# KiCad board Part 10-AMLDC-2044B.kicad_pcb (continued)
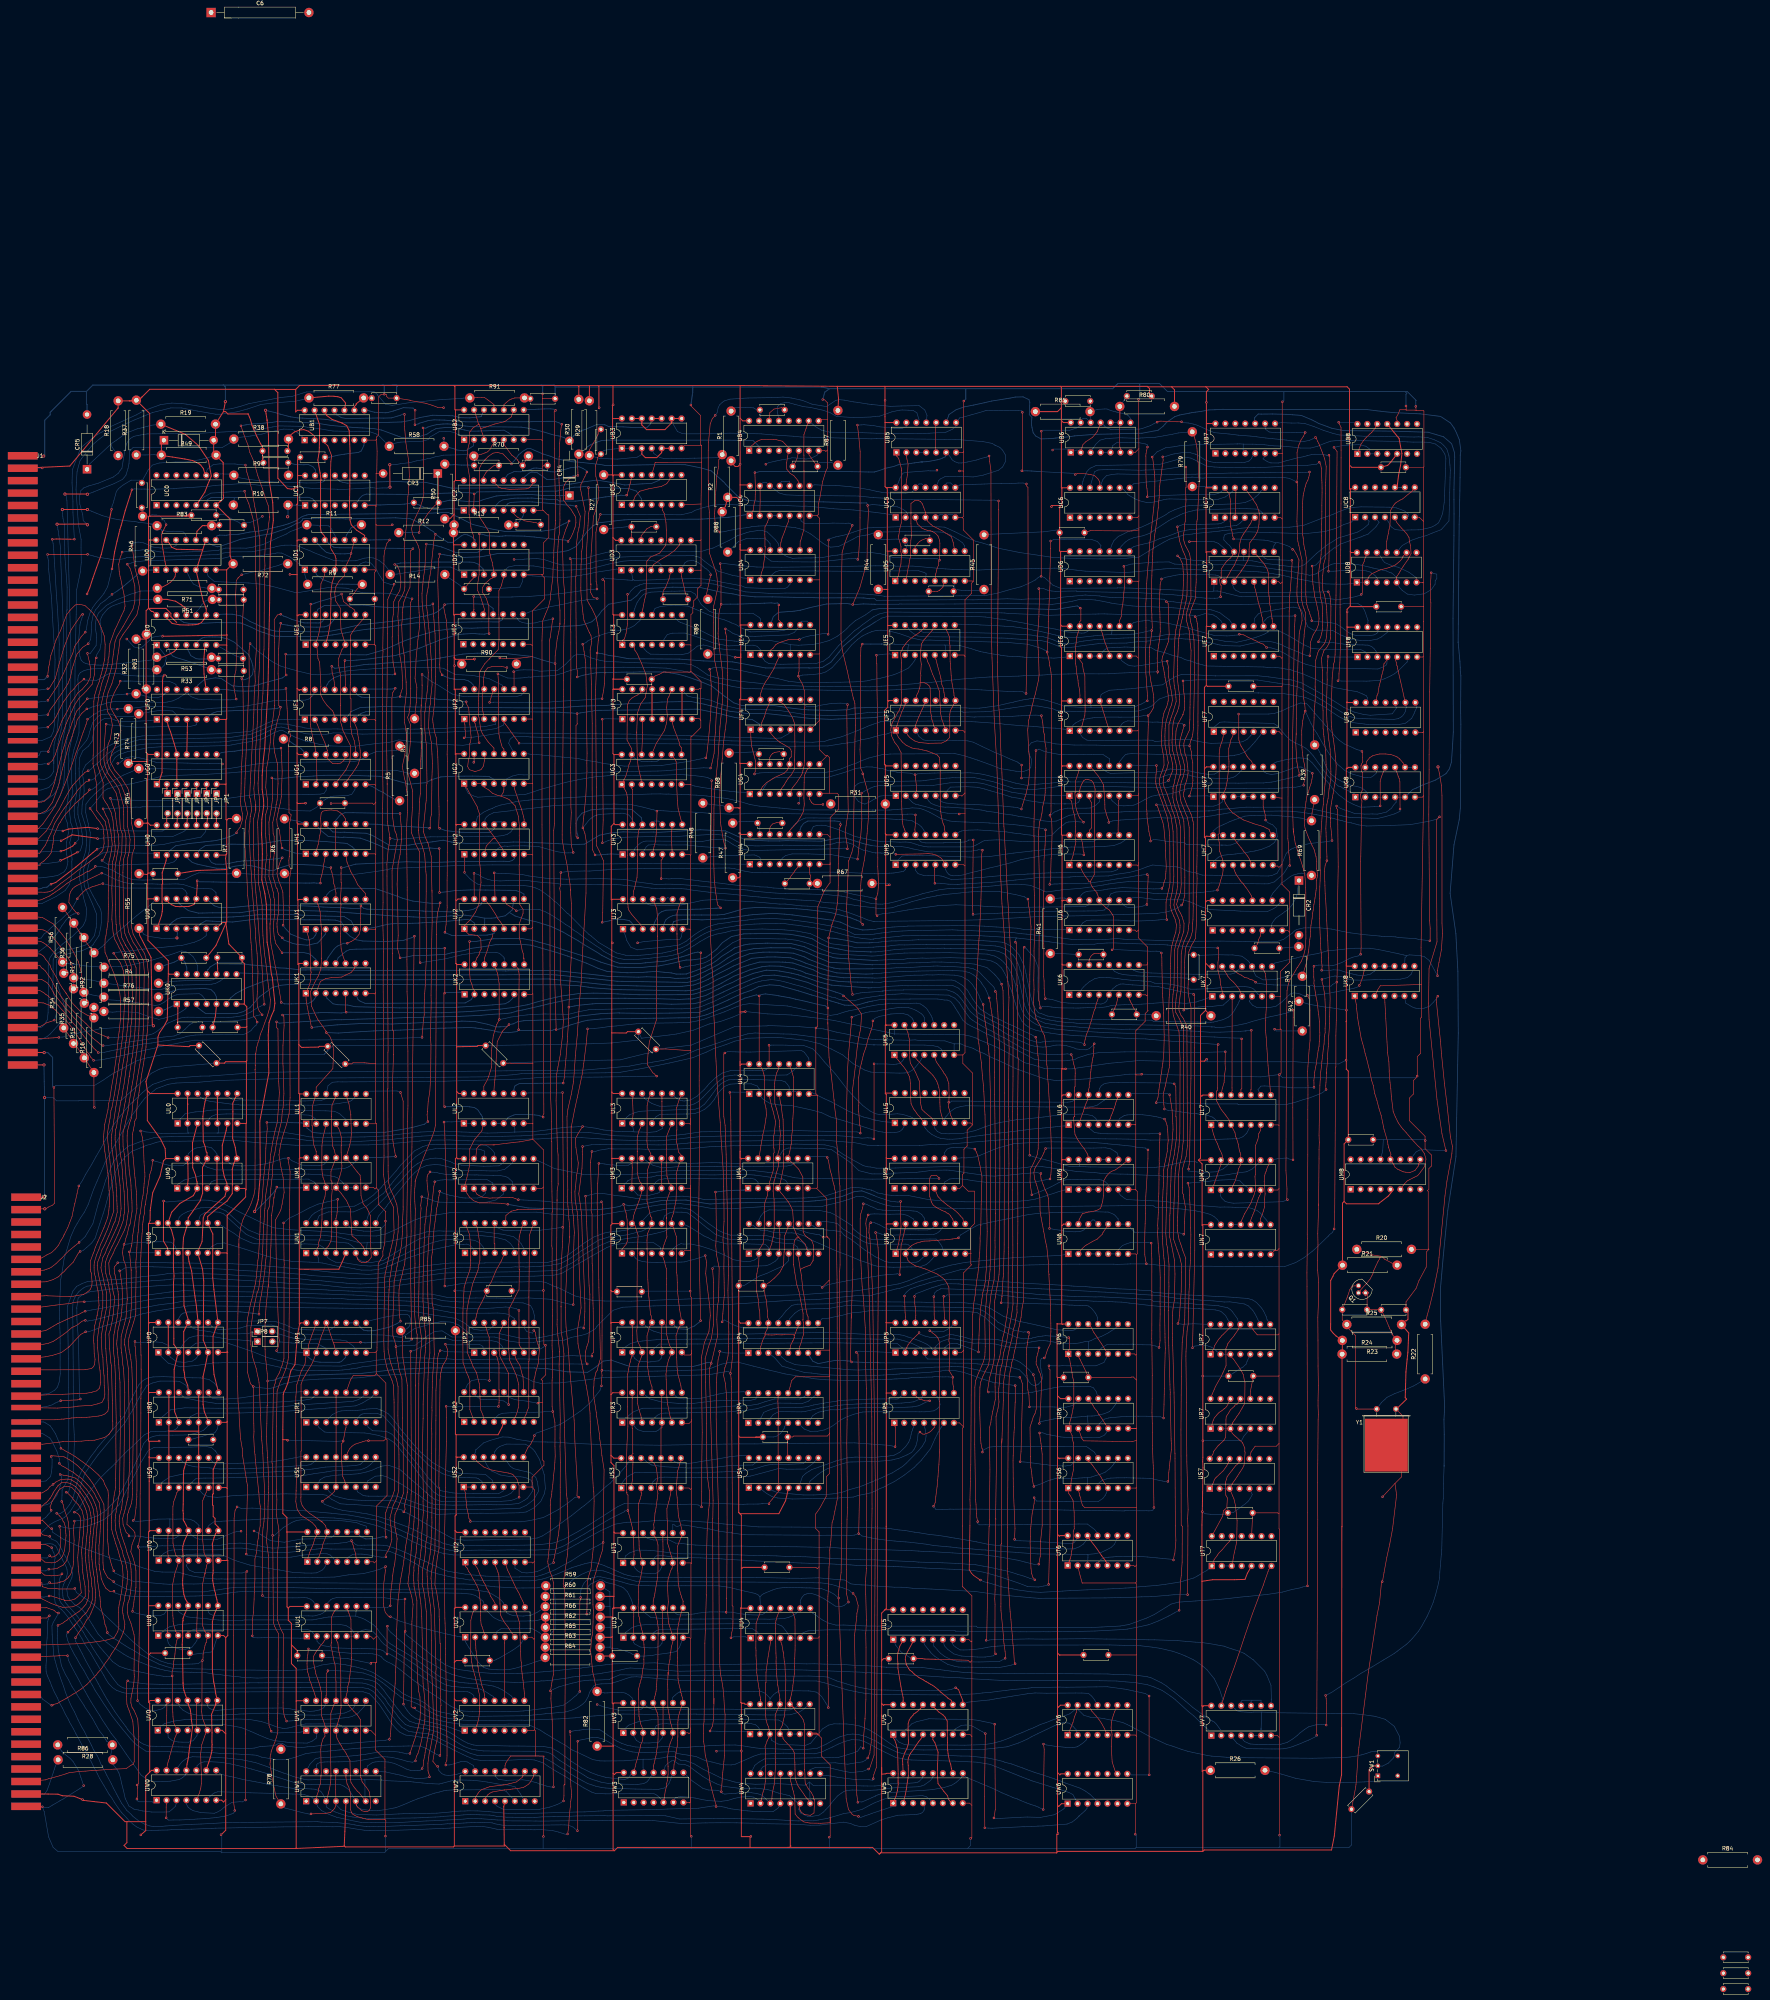
[diagram p0: board, top side]
## Routing (per net, layer and track width the routed paths; a pad name or vN(x,y) marks a point on that pad's centre or on a via; arc(x,y) is an arc through that point) (continued)
U4p8: length 319
  Top w0.15: UK8.13 418.45,259.75 418.3,259.17 418.11,258.28 417.96,257.85 417.51,256.64 417.23,256.12 417.23,256.12 v1(417.25,256.1) 417.23,256.08 417.23,255.94 ; 404.18,102.61 v1(403.99,102.75) 404.03,121.4 403.88,179.23 403.87,182.68 403.97,191.48 403.94,192.6 404.02,203.76 404.09,212.96 404.09,221.89 404.09,224.47 404.12,228.13 404.12,230.59 404.05,234.1 404.12,235.49 404.42,239.67 404.66,242.15 404.64,249.69 404.59,251.09 404.47,252.55 404.2,253.17 v1(403.98,253.58)
  Bottom w0.15: v1(417.25,256.1) 416.91,255.76 416.55,255.59 415.98,255.43 414.76,255.15 413.96,255.01 411.99,254.61 408.59,253.96 407.36,253.77 406.87,253.73 405.1,253.5 v1(403.98,253.58) 403.34,253.51 402.99,253.51 402.15,253.9 401.65,254.04 400.57,254.22 399.69,253.95 398.87,253.28 397.51,251.92 396.94,251.52 395.97,250.81 394.1,250.41 392.9,250.43 391.02,250.5 389.96,251.05 389.13,252.04 UK7.5 ; 296.89,92.47 319.36,92.47 319.7,92.13 348.9,92.13 351.48,92.25 356.14,92.5 358.39,92.89 362.82,94.5 364.88,95.45 369.12,98.09 371.01,98.6 375.33,98.89 376.82,99 379.94,99.19 381.51,99.3 384.46,99.61 386.24,99.82 388.83,100.07 393.85,100.58 397.57,101.16 399.9,101.8 402.15,102.25 402.71,102.44 403.39,102.64 v1(403.99,102.75) ; 296.89,92.47 291.65,92.5 285.55,92.75 283.55,92.73 281.69,93.23 280.4,93.88 280.01,94.08 278.74,95.03 277.64,95.72 UU4.8 ; 296.89,92.47 296.94,92.47
U4p10: length 144.2
  Top w0.15: 275.61,53.46 275.61,54.58 275.53,55.81 275.5,55.78 275.49,57.88 275.52,58.77 275.52,59.59 275.55,63.28 275.52,67.29 275.18,68.51 274.61,69.42 273.73,70.4 273.33,70.78 272.99,71.13 272.95,71.51 272.79,71.67 ; 275.61,53.36 275.7,52.18 275.89,51.98 276.44,50.96 277.19,50.03 277.85,48.8 277.85,48.33 278.08,48.11 277.92,44.75 276.97,44.14 275.51,44.35 274.68,44.95 274.51,45.25 274.27,45.71 274.16,46.4 274.41,47.18 ; 271.92,73.92 271.74,72.78 272.33,72.09 272.79,71.67 ; 271.92,73.92 271.74,73.75 UV4.10 272.6,71.67 272.79,71.67 ; 271.92,73.92 271.97,74.28 272.14,75 272.51,76.9 272.52,77.29 272.92,80.42 272.92,82.21 273,82.93 273,84.13 273.08,86.38 273.09,87.54 273.07,94.28 272.74,95.39 271.87,97.04
  Bottom w0.15: UW5.12 308.35,53.94 307.68,53.06 306.07,51.89 305.48,51.67 304.56,51.45 299.28,51.23 298.03,51.15 296.11,50.91 295.03,50.74 294.06,50.63 292.24,50.53 291.44,50.53 288.93,50.58 287.7,50.61 286.96,50.56 286.16,50.43 285.5,50.18 284.89,49.81 283.91,49.08 282.98,48.02 282.38,47.29 281.9,46.62 280.92,45.59 280.3,44.97 279.19,44.2 277.49,43.88 276.22,43.93 274.54,44.74 274,45.69 274.41,47.18 273.48,47.55 271.73,49.15 268.92,49.82 267.76,50.18 266.03,50.76 262.88,51.11 259.55,50.96 254.76,51.56 253.06,52.18 251.07,53.15 249.53,54.06 247.94,55.23 245.91,56.74 244.94,57.11 243.29,57.25 242.05,58.14 241.52,58.05 240.53,57.36 239.9,56.74 UW3.10
U5p2: length 17
  Top w0.2: UU5.2 300.25,88.08 299.84,87.36 299.37,85.74 299.23,84.73 299.36,82.82 299.37,81.63 300.11,77.18 300.37,75.73 300.7,74.16 300.7,73.55 UV5.15
U5p3: length 23
  Top w0.2: UU5.3 302.96,88 302.56,87.28 302.04,86.32 301.77,85.87 301.5,85.22 301.3,84.7 301.23,83.96 301.53,82.57 302.11,81.69 302.1,81.6 302.46,81.18 302.94,80.85 303.52,80.23 304.74,79.34 305.83,78.75 306.54,78.27 306.59,78.28 307.2,77.94 307.68,77.63 308.21,77.36 308.65,77.07 309.64,76.24 310.27,75.65 312.02,74.22 312.16,74.05 313.01,73.52 313.01,72.79 UV5.10
U5p4: length 526.7
  Top w0.15: v1(335.76,250.33) 335.55,251.5 335.45,251.98 335.36,252.25 335.51,282.51 335.24,294.59 335.55,297.86 335.87,298.56 336.04,299.78 336.18,300.12 336.29,301.43 336.39,301.85 336.54,302.56 336.75,303.47 336.88,304.23 336.99,305.33 336.99,305.95 337.2,316.7 336.94,318.16 336.75,320.3 336.56,320.98 336.35,323.35 336.1,324.55 v1(336.02,325.01) ; v1(331.64,265.88) 331.47,265.71 331.43,175.47 331.09,173.76 330.82,171.29 330.49,169.74 330.37,169.11 330.09,167.93 329.98,166.86 329.82,166.15 329.45,163.81 329.15,162.74 328.84,161.01 328.45,159.75 328.39,158.99 328.03,157.6 327.82,156.19 327.74,154.36 327.56,147.06 327.37,117.66 327.37,107.12 327.34,106.48 327.46,105.63 327.49,104.91 327.65,102.12 328.02,96.26 328.23,94.2 328.41,91.96 328.6,89.95 328.74,88 328.88,86.8 329.13,83.08 329.31,82.9 v1(329.31,82.86) 329.34,82.86 329.4,82.8
  Bottom w0.15: 293.84,324.6 294.86,324.81 296.14,324.92 308.7,324.8 311.06,324.76 313.68,324.74 314.99,324.79 317.21,324.75 319.01,324.64 319.06,324.69 326.35,324.75 328.58,324.83 330.1,324.94 330.9,324.97 332.27,325.07 334.4,325.14 335.28,325.1 v1(336.02,325.01) ; v1(331.64,265.88) 331.68,265.92 332.09,265.57 332.25,265.41 332.38,265.25 334.26,263.13 335.17,260.71 335.2,259.06 335.16,258.03 335.14,254.68 335.34,252.77 v1(335.76,250.33) 336.38,250.8 337.63,250.71 338.68,250.58 339.7,250.43 341.35,250.37 344.27,250.34 345.4,250.33 345.98,250.35 346.66,250.38 347.83,250.42 349.86,250.39 350.76,250.39 352.71,250.65 354.05,251.03 357.19,251.18 358.28,251.2 361.52,251.32 363.65,251.45 364.71,251.56 367.07,251.73 368.4,251.77 369.26,251.8 372.9,251.51 375.64,251.88 376.26,252.13 377.14,252.37 378.22,252.77 UK7.1 ; v1(329.31,82.86) 328.39,82.53 326.59,82.14 325.34,81.93 324.42,81.86 322.75,81.86 322.06,81.89 321.02,81.93 317.38,81.99 316.42,81.96 314.9,82.01 313.93,82.18 312.1,82.71 310.09,83.88 308.69,84.83 307.8,85.65 307.56,85.99 307.07,86.6 306.13,87.76 UU5.4
  Bottom w0.2: 294.02,324.61 292.82,324.5 284.11,324.15 282.32,324.06 276.99,324.28 265.67,325.56 261.42,325.58 260.62,325.59 256.43,326.12 252.69,327.18 249.94,327.92 246.42,328.63 239.08,328.49 235.93,328.25 230.51,328.07 224.67,327.61 218.67,327.45 211.15,326.94 176.5,327.2 167.82,327.33 161.97,327.07 159.81,326.11 UF1.5
U5p7: length 116.5
  Top w0.15: UV7.13 382.51,73.88 383.12,75.81 383.36,76.62 383.6,77.14 384.31,79.34 385.34,82.1 386.94,86.8 387.87,89.64 389.92,95.58 391.78,100.52 392.73,102.98 393,103.82 393.92,106.38 394.07,106.86 UT7.7
  Bottom w0.15: UV7.13 382.28,74.03 381.54,76.3 380.2,79.01 378.36,81.28 377.36,82.18 375.84,83.27 374.91,83.85 372.91,84.81 371.19,85.5 369.52,86.07 366.13,86.84 364.46,87.09 361.41,87.45 359.48,87.53 357.26,87.57 355.93,87.6 353.38,87.66 329.8,87.62 324.89,87.38 323.21,87.21 322.16,87.06 320.92,86.79 318.77,86.49 317.64,86.42 316.08,86.38 315.22,86.41 314.11,87.13 313.62,87.51 313.25,88.11 UU5.7
W0p1: length 363.1
  Top w0.15: v1(104.93,48.29) 104.93,48.64 105.09,48.83 105.08,51.09 105.15,51.17 v1(104.97,51.89) 105.28,52.21 105.28,62.74 105.41,64.28 105.14,68.73 104.57,70.1 104.19,70.95 103.9,71.43 103.67,71.77 103.38,72.87 103.4,73.99 104,77.05 104.18,78.23 104.25,79.53 104.23,80.08 104.19,81.16 104.31,89.18 104.2,90.29 103.4,93.24 103.05,94.07 102.74,94.88 102.45,96.06 102.59,98.03 102.65,98.44 102.97,99.36 103.28,100.92 103.53,103.44 103.45,106.3 103.43,107.03 103.27,108.04 103.18,108.95 102.88,109.87 102.42,111.19 102.26,111.79 102.07,112.58 101.7,113.6 100.94,115.88 100.82,116.4 100.67,117.14 100.42,118.75 100.39,119.28 100.45,120.5 100.93,122.22 101.05,122.81 101.22,124.39 101.45,125.89 101.56,127.77 101.83,152.09 101.5,158.32 101.34,159.19 101.03,162.43 ; 102.46,176.05 102.15,171.34 101.71,169.48 100.9,166.44 100.87,163.49 101.05,162.28 ; v1(103.69,368.83) 103.77,367.77 104.34,363.39 104.49,362.44 104.97,360.6 105.36,359.01 105.72,356.75 105.63,353.82 104.92,350.75 103.82,349.22 103.21,348.29 102.66,347.48 101.42,345.8 101.3,345.6 100.6,344.44 100.27,341.69 99.9,339.46 99.61,337 99.37,336.16 98.54,333.19 97.58,330.96 97.1,328.49 97.44,326 98.32,324.52 98.65,322.57 98.16,319.06 97.57,317.7 97.4,316.41 97.28,315.6 97.28,313.52 97.85,311.63 99.28,309.43 99.89,308.76 100.91,307.29 101.87,304.87 102.46,301.71 102.5,300.51 102.56,296.65 103.19,293.36 102.94,290.18 102.73,289.28 ; 102.46,175.79 102.33,179.7 102.11,184.48 101.58,185.89 101.24,187.8 101.38,188.91 v1(101.64,189.97) 101.78,190.11 102.07,191.42 102.41,192.4 102.96,194.8 103.18,195.16 103.65,198.12 103.7,198.48 103.66,200.65 103.65,201.17 103.45,203.87 103.42,204.89 103.33,206.4 103.26,206.58 102.94,208.99 102.87,209.99 102.7,212.43 102.69,212.99 102.49,215.27 102.42,216.37 102.44,217.78 102.5,218.84 103.06,220.95 103.53,222.26 103.92,226.23 104,226.74 104.69,230.16 104.86,231.09 105.11,232.83 105.83,236.92 106.22,240 106.37,241.23 106.55,244.74 106.62,245.94 106.79,258.93 106.83,259.43 106.57,262.42 104.85,265.86 103.98,267.09 102.8,269.74 102.61,271.01 102.53,271.87 102.51,287.09 102.49,287.19 102.6,288.68 102.76,289.43
  Bottom w0.15: UW0.1 109.45,48.02 108.93,47.5 108.81,47.62 105.45,47.62 105.15,47.82 v1(104.93,48.29) ; UD0.12 114.94,368.43 113.75,367.86 112.48,367.79 110.97,367.82 109.03,368.07 107.67,368.7 106.68,369.12 105.85,369.28 105.2,369.32 104.37,369.23 104.01,368.83 v1(103.69,368.83) ; UN0.3 114.75,189.34 114.32,190.07 113.65,190.53 112.66,190.57 111.01,190.65 110.03,190.62 108.06,190.54 104.37,190.44 103.44,190.2 102.66,190.07 v1(101.64,189.97)
W0p2: length 304.6
  Top w0.15: UT3.13 231.8,114.8 231.94,110.68 UT3.2 ; UT3.13 231.68,115.49 ; UT3.13 231.56,117.37 231.29,118.53 230.97,119.77 230.62,121.08 230.38,121.86 230.4,121.88 230.4,121.95 v1(230.35,122.01) 230.4,122.07 230.4,125.94 230.12,126.23 230.12,126.56 ; 231.44,161.46 231.13,160.7 230.99,159.96 230.82,159.41 230.51,157.98 230.44,157.41 230.28,156.69 230.28,148.51 230.3,148.43 230.37,143.52 230.14,138.84 229.99,134.09 230.04,132.47 230.08,126.56 230.12,126.56 ; 231.44,161.46 UP3.2 231.55,166.79 231.53,168.52 231.46,169.4 UP3.13 ; 231.44,161.46 231.35,161.12 ; 230.12,126.56 230.14,126.54 ; v1(130.51,122.93) 130.01,122.04 129.76,120.01 129.73,103.48 129.66,100.56 129.66,90.16 129.64,82.67 129.58,65.23 129.64,47.4 v1(129.94,45.38) ; UP3.5 239.08,163.68 238.86,163.9 UP3.10 ; UT3.5 239.35,112.08 239.31,114.01 UT3.10 ; 112.42,43.42 112.4,43.43 112.4,43.5 v1(112.39,43.52) 112.4,43.53 112.4,46.25 112.42,46.87 UW0.2
  Bottom w0.15: v1(112.39,43.52) 112.67,43.14 113.07,42.92 114.2,42.96 115.89,42.96 118.33,43.07 119.65,43.16 120.31,43.21 122.33,43.3 125.3,43.59 127.22,43.92 ; UP3.2 232.03,160.93 232.81,160.29 233.13,160.12 233.99,160.02 235.01,160 235.62,159.91 236.17,159.98 238.26,160.22 238.92,160.93 UP3.5 ; 127.22,43.92 127.28,43.92 ; 127.22,43.92 127.99,44.07 128.97,44.46 129.49,44.63 129.83,45.01 v1(129.94,45.38) ; v1(130.51,122.93) 131.53,122.57 132.55,122.57 134.36,122.62 135.6,122.57 137.18,122.35 141.04,122.26 143.47,122.04 145.25,122.06 146.52,122.06 148.64,121.83 154.65,121.3 159.12,120.84 163.43,120.04 166.31,119.5 169.05,118.42 171.46,117.37 173.44,116.47 175.56,115.51 177.18,114.78 179.06,113.87 180.5,113.26 181.43,112.91 183.38,112.25 184.86,111.87 189.3,111.82 190.33,111.85 193,111.9 195.3,111.84 201.15,111.95 202.93,111.88 205.34,111.92 206.7,111.91 211.69,112.1 213.56,112.77 214.69,113.33 215.79,114.02 216.29,114.3 217.33,114.89 218.2,115.41 219.27,116 220.61,116.83 221.75,117.5 224.07,118.87 225.83,119.88 227.47,120.71 228.76,121.34 229.47,121.68 229.6,121.9 v1(230.35,122.01) ; UT3.2 232.05,107.43 232.78,106.62 233.31,106.3 233.99,106.04 236.13,105.89 237.54,105.96 238.04,106.24 238.5,106.6 239.02,107.58 UT3.5
W0p4: length 94.2
  Top w0.15: v1(133.04,106.46) 132.78,106.2 132.67,68.52 132.63,65.15 132.68,64.73 132.68,48.07 v1(132.69,48.06)
  Bottom w0.15: UW0.4 117.56,47.02 118.03,46.19 118.62,45.73 119.29,45.33 121.21,44.86 124.7,44.68 125.34,44.92 126.34,45.46 127.29,46.27 129.21,47.46 131.24,47.63 131.87,47.58 v1(132.69,48.06) ; UT0.4 117.54,107.89 118.21,106.91 118.31,106.78 119.7,106.18 131.78,106.04 v1(133.04,106.46)
W0p6: length 234.1
  Top w0.15: UU1.3 152.95,88.93 152.56,88.35 151.65,87.22 151.43,86.84 150.73,85.97 150.44,85.44 150.06,84.77 150.03,83.39 150.32,81.77 150.58,80.79 150.64,80.29 151.19,78.75 151.49,77.82 151.81,76.8 152.08,75.33 152.08,69.74 152.25,69.13 152.8,67.69 152.98,66.96 UV1.3 152.86,65.4 152.99,64.4 152.48,63.69 152.03,62.22 151.89,60.89 152.03,55.08 151.82,52.25 151.39,51.04 151.36,50.98 151.3,50.63 151.27,50.2 150.92,49.19 150.71,47.76
  Bottom w0.15: UW5.4 306.06,46.97 306.1,45.75 306.04,45.46 305.68,44.91 305.08,44.56 304.51,44.46 304.09,44.39 303.61,44.35 301.4,44.25 299.32,44.17 296.68,43.49 295.01,42.95 291.24,41.27 289.91,41.23 288.19,41.65 287.25,42.07 285.49,42.4 281.83,41.96 279.38,41.65 276.96,41.61 274.39,41.82 272.03,41.9 264.75,42.02 263.18,42.14 262.1,42.14 259.64,42.2 258.05,42.24 254.02,42.26 250.17,42.22 244.06,42.05 236.72,42.82 235.17,42.81 226.59,42.81 223.82,42.83 219.29,42.79 216.97,42.79 208.16,42.67 206.85,42.7 199.61,42.74 198.82,42.91 197.04,42.96 195.5,43.1 192.96,43.27 189.57,43.32 188.47,43.19 186.91,43.09 184.35,42.97 181.05,42.77 178.88,42.72 171.91,42.31 165.84,42.3 164.79,42.35 162.25,42.33 160.96,42.59 159.05,42.97 155.96,43.66 154.06,44.35 152.11,45.35 151.09,46.37 150.71,47.76 149.48,48.89 147.79,49.41 146.55,49.56 144.69,49.59 143.22,49.67 133.89,49.9 132.42,49.98 125.59,50.17 124.73,49.88 124.25,49.56 123.57,48.95 UW0.6
W0p8: length 189.5
  Bottom w0.15: 138.01,52.16 139.74,51.83 140.78,51.7 141.7,51.52 143.83,51.17 145.39,50.97 148.13,50.96 149.61,50.88 150.44,50.83 151.75,50.35 151.96,50.18 152.46,49.49 152.72,48.97 UW1.3 153.32,46.3 153.97,45.82 155.55,45.02 156.44,44.71 158.47,44.03 160.14,43.71 162.01,43.49 163.42,43.35 164.21,43.32 175.97,43.48 177.45,43.53 178.02,43.57 179.28,43.66 181.14,43.71 182.43,43.77 183.31,43.9 186.28,44.07 188.43,44.27 190.18,44.34 191.73,44.33 192.51,44.28 195.04,44.22 196.05,44.08 196.74,43.91 199.48,43.66 200.82,43.66 206.5,43.6 208.51,43.76 211.49,43.8 212.51,43.79 214.57,43.85 217.38,44 219.33,44.02 224.3,44.08 225.19,44.02 225.83,44.03 238.15,44.08 239.93,44.04 243.56,43.22 249.19,43.3 252.3,43.34 254.72,43.32 257.52,43.32 264.88,43.18 266.65,43.12 270.5,42.9 272.37,42.77 274.02,42.73 275.8,42.79 277.81,42.75 279.08,42.96 281.44,43.4 285.5,44.59 287.1,44.83 288.98,45.32 290.28,45.71 292.57,46.95 293.6,47.44 295.76,48.27 297.57,48.84 298.72,48.9 300.16,48.99 302.04,48.99 305.65,49.19 306.59,48.92 306.93,48.63 307.37,48.33 UW5.5 ; 138.01,52.16 138.09,52.16 ; 138.01,52.16 136.35,52.51 135.18,52.72 132,53.31 129.94,53.83 128.66,54.11 127.62,54.32 126.2,54.75 UW0.8
W0p10: length 148.4
  Top w0.15: UU1.10 158.89,96.41 159.1,95.75 159.61,94.25 159.74,84.5 159.71,84.42 159.73,84.09 159.64,82.13 159.46,81.14 159.35,79.96 159.2,79.04 159.15,78.29 158.82,77.11 158.72,75.95 158.33,74.35 UV1.10 158.96,72.47 159.36,71.84 160.32,70.75 160.92,70.13 161.24,69.79 162.01,68.62 162.06,54.28 162.11,53.8 162.22,53.67 162.47,52.71 163.03,51.96 163.52,51.35 164.04,50.59 164.34,50.06 164.63,47.39 164.62,46.09 164.42,45.67 164.3,45.49 163.94,45.19 163.66,45.17 163.22,45.11 162.38,45.31 161.4,46.19 161.25,46.38 161.06,46.58 UW1.6
  Bottom w0.15: UW0.10 120.31,56.84 121.03,57.46 121.63,57.71 122.16,57.82 123.35,57.8 123.82,57.83 126.43,57.69 128.9,57.27 130.57,56.9 134.15,55.99 136.57,55.28 138.51,54.71 139.85,54.22 140.94,53.87 143.85,52.94 145.9,52.29 147.2,52.14 149.53,51.99 151.44,52 154.33,52.01 156.1,52.08 156.96,51.99 157.88,51.56 159.17,50.64 159.86,49.46 160.39,48.54 UW1.6 161,46.62 161.44,46.15 162.38,45.68 164.11,45.46 164.8,45.35 165.06,45.35 166.38,45.32 166.95,45.41 168.36,45.6 171.11,46.12 172.94,46.82 174.78,47.61 175.45,47.89 176.75,48.4 179.51,49.32 180.92,49.8 182.25,50.11 183.28,50.4 183.92,50.54 185.73,50.64 193.76,50.68 195.86,50.7 197.56,50.7 198.81,50.5 199.35,50.18 200.37,49.03 200.67,48.72 UW2.6
W0p12: length 144.2
  Top w0.15: UU1.4 155.96,88.74 156.27,88.2 156.39,87 156.56,85.79 156.79,84.93 156.87,84.05 156.93,82.22 156.99,81.14 157.03,78.93 157,77.33 157.09,71.76 157.03,71.24 156.91,70.32 156.83,69.68 156.49,68.53 156.07,67.18 ; 156.17,67.38 155.79,66.62 155.79,65.8 155.87,64.61 156.08,63.75 156.62,62.73 157.11,61.96 157.59,61.08 158.24,60.25 158.46,59.79 159.36,58.15 159.46,53.4 159.63,52.55 160.28,51.52 160.63,51.09 161.19,50.37 161.7,49.92 UW1.7
  Bottom w0.15: UW1.7 163.19,48.86 163.19,53.09 163.07,53.21 ; 163.07,53.21 161.9,53.27 150.54,53.26 148.64,53.21 147.46,53.39 146.62,53.62 144.92,54.06 143.4,54.64 142.42,54.94 141.19,55.41 140.17,55.76 138.6,56.45 136.79,57.08 135.31,57.58 132.56,58.19 131.82,58.33 127.97,58.77 125.82,58.9 123.86,59.01 121.3,59.04 119.14,59.11 117.8,58.8 116.74,58.06 116.3,57.66 115.43,56.52 UW0.12 ; 163.07,53.21 163.16,53.3 167.33,53.19 168.68,53 173.79,52.78 174.88,52.74 175.56,52.66 177.96,52.41 179.16,52.29 180.56,52.21 182.12,52.14 183.06,52.37 185.05,52.9 186.32,53.19 188.03,53.17 190.07,53.12 190.89,53.09 193.27,52.83 194.51,52.64 197.83,52.04 199.83,51.87 201.55,51.4 202.09,50.78 202.88,49.68 203.18,49.11 UW2.7
W1p16: length 194.4
  Top w0.15: v1(177.71,202.14) 177.44,199.98 177.53,199.21 177.32,196.5 177.3,194.01 177.09,187.02 177.06,184.78 176.96,177.98 176.93,176.66 176.92,171.78 177.21,168.99 177.66,165.93 177.65,164.4 177.47,163.02 177.22,159.92 176.98,156.93 176.95,154.5 176.85,120.96 176.9,119.45 176.73,117.36 176.72,117.35 176.72,115.33 176.58,114.68 176.39,112.7 176.31,112.2 176.26,111.19 175.86,108.84 175.69,107.47 175.72,106.6 175.52,105.41 175.66,104.09 175.7,103.5 175.73,102.61 176.46,99.02 176.42,84.74 176.7,78.16 176.93,75.78 177.25,74.39 177.35,70.4 177.25,68.75 176.73,66.4 176.31,65.1 176.07,64.03 175.69,62.95 174.68,59.96 v1(174.68,59.95)
  Bottom w0.15: UW1.16 148.68,56.4 149.15,57.24 150.47,58.56 151.61,58.85 152.62,58.9 155.57,59.06 156.82,59.12 157.57,59.18 158.21,59.18 158.89,59.24 161.2,59.47 162.38,59.62 163.41,59.76 164.71,60 166.57,60.26 166.88,60.31 167.75,60.47 169.37,60.48 170.59,60.46 171.96,60.3 171.99,60.26 172.9,60.09 173.87,59.84 v1(174.68,59.95) ; v1(177.71,202.14) 178.43,201.89 178.8,201.77 179.1,201.7 179.71,201.49 180.33,201.26 180.73,201.08 181.57,200.85 182.11,200.76 184.14,200.71 184.71,200.71 185.36,200.71 189.54,200.68 189.93,200.67 192.77,200.65 194.37,200.76 196.64,201.3 198.64,202.86 UM2.5
W2p9: length 16.5
  Top w0.15: UW2.3 194.03,48.64 194.51,49.33 195.1,49.8 195.69,50.1 198.84,50.67 199.35,50.65 200.27,50.78 200.93,50.88 202.24,50.98 203.72,51.31 204.25,51.61 205.06,52.15 205.45,52.68 206.06,53.69 206.27,54.09 206.36,55.15 UW2.9
W2p10: length 16.4
  Top w0.15: UW2.2 191.42,48.66 192.12,49.85 192.4,50.22 192.97,50.72 194.35,51.19 195.1,51.48 199.1,51.98 200.02,52.2 201.87,52.67 203.51,53.96 203.58,54.91 UW2.10
W3p6: length 156.5
  Top w0.15: 264.25,47.18 264.6,48.59 264.72,49.49 264.91,50.1 265.29,51.2 265.48,52.78 265.59,54.57 265.58,57.89 265.57,58.63 265.57,60.24 265.41,61.68 265.88,62.94 265.97,63.27 266.28,63.77 ; UU4.3 266.79,88.22 266.22,84.8 266.01,83.32 265.66,80.66 265.66,78.1 265.56,78 265.56,72.77 265.55,72.31 265.48,70.23 265.7,68.41 266.01,67.3 266.28,66.81 266.46,66.05 ; 266.46,66.05 266.66,65.16 266.46,64.06 266.28,63.77 ; 266.46,66.05 266.46,65.11 UV4.3 266.28,64.52 266.28,63.77
  Bottom w0.15: 264.25,47.18 263.61,48.13 262.41,48.82 261.45,48.97 259.96,48.84 259.36,48.86 257.44,48.43 255.88,47.95 254.19,47.72 252.4,47.82 250.79,47.92 249.22,48.21 247.55,48.56 245.92,48.8 243.81,48.93 243.34,48.87 242.86,48.68 242.47,48.64 UW3.6 ; UV4.3 267.09,63.31 268.69,62.37 269.8,62.23 275.68,62.02 277.06,62.56 278.39,64.18 278.88,64.72 280.05,66.2 281.65,67.19 283.03,67.52 284.45,67.5 286.29,67.48 287.58,67.34 289.65,66.96 290.77,66.53 292.02,65.95 292.99,65.41 294.1,64.7 295.25,63.95 298.74,61.56 301.93,60.96 305.91,60.84 321.25,60.99 327.24,61.65 330.19,62.63 332.6,63.69 333.39,64.18 334.99,64.96 339.45,67.09 341.7,67.86 343.16,67.69 344.13,66.86 344.53,66.42 344.95,65.94 UV6.2
W3p8: length 197.2
  Top w0.15: 254.2,50.02 254.2,50.12 v1(254.25,50.17) 254.2,50.22 254.2,51.19 254.38,51.89 254.56,54.47 254.61,55.1 254.9,57.87 255.04,59.42 255.2,69.82 255.05,71.2 254.88,74.54 254.67,76.65 254.35,78.61 254.01,80.27 253.87,82.13 253.74,85.54 253.59,117.21 253.57,119.9 252.93,145.35 252.97,154.67 253.41,160.48 253.71,161.72 v1(253.81,162.64) ; UU4.11 268.89,95.97 268.5,94.93 268.18,93.83 268.13,93.35 268.08,91.92 268.19,85.59 268.25,84.45 268.22,83.35 268.27,82.45 268.28,81.59 268.35,80.34 268.62,77.54 268.7,77.25 268.96,75.43 269.1,74.84 269.2,73.97 269.2,73.8 ; 269.2,73.8 UV4.11 ; 269.2,73.8 269.2,72.78 268.82,71.72 268.14,70.15 268.06,69.55 267.99,69.31 268.09,65.24 268.04,62.17 268.04,60.48 268.01,59.06 268.07,58.43 268.15,57.71 267.97,54.99 267.91,53.37 267.74,52.03 267.63,51.39 267.27,49.87 267.08,47.47 UW4.3
  Bottom w0.15: UW3.8 245.44,54.28 245.83,53.75 246.91,52.88 249.5,51.06 250.88,50.63 253.34,50.53 v1(254.25,50.17) 254.47,49.73 255.15,49.57 256.79,49.73 257.9,49.76 259.01,49.97 260.3,49.97 261.93,49.92 263.33,49.72 264.28,49.46 265.01,48.89 265.51,48.49 266.01,47.91 UW4.3 ; UP4.1 258.01,162.19 255.19,162.27 v1(253.81,162.64)
WALLOUT: length 286.1
  Top w0.15: UF2.5 198.74,323.19 199.05,322.88 199.73,321.97 200.41,320.99 202.54,318.05 202.54,318 v1(202.57,317.97) 202.54,317.95 202.54,317.84 ; UH5.9 311.29,296.04 311.18,296.83 310.89,297.5 310.66,298.31 310.4,299.59 310.28,300.6 310.16,304.72 310.17,310.83 310.01,313.87 310.01,314.23 309.39,314.98 308.28,315.43 306.78,316 305.72,316.25 304.61,316.49 303.67,316.57 302.89,316.76 301.45,317.46 300.57,318.19 300.31,318.51 299.53,319.4 299.12,320.23 UF5.1 299.07,322.39 299.29,322.98 299.66,324.12 300.04,325.05 300.34,326 300.75,326.78 300.94,327.42 301.19,327.71 UF5.13 ; 92.72,308.57 v1(92.69,308.57) 92.72,308.32 91.95,308.15 90.85,307.12 89.72,305.92 89.45,305.4 88.67,304.33 87.13,302.31 86.36,301.37 85.61,300.27 85.08,299.39 84.66,298.71 83.91,297.5 82.95,295.01 82.42,293.94 82.11,293.17 81.53,291.93 80.69,290.78 80.04,289.77 J1.65